# KiCad board HPM6P00ADCEVKRevB.kicad_pcb (continued)
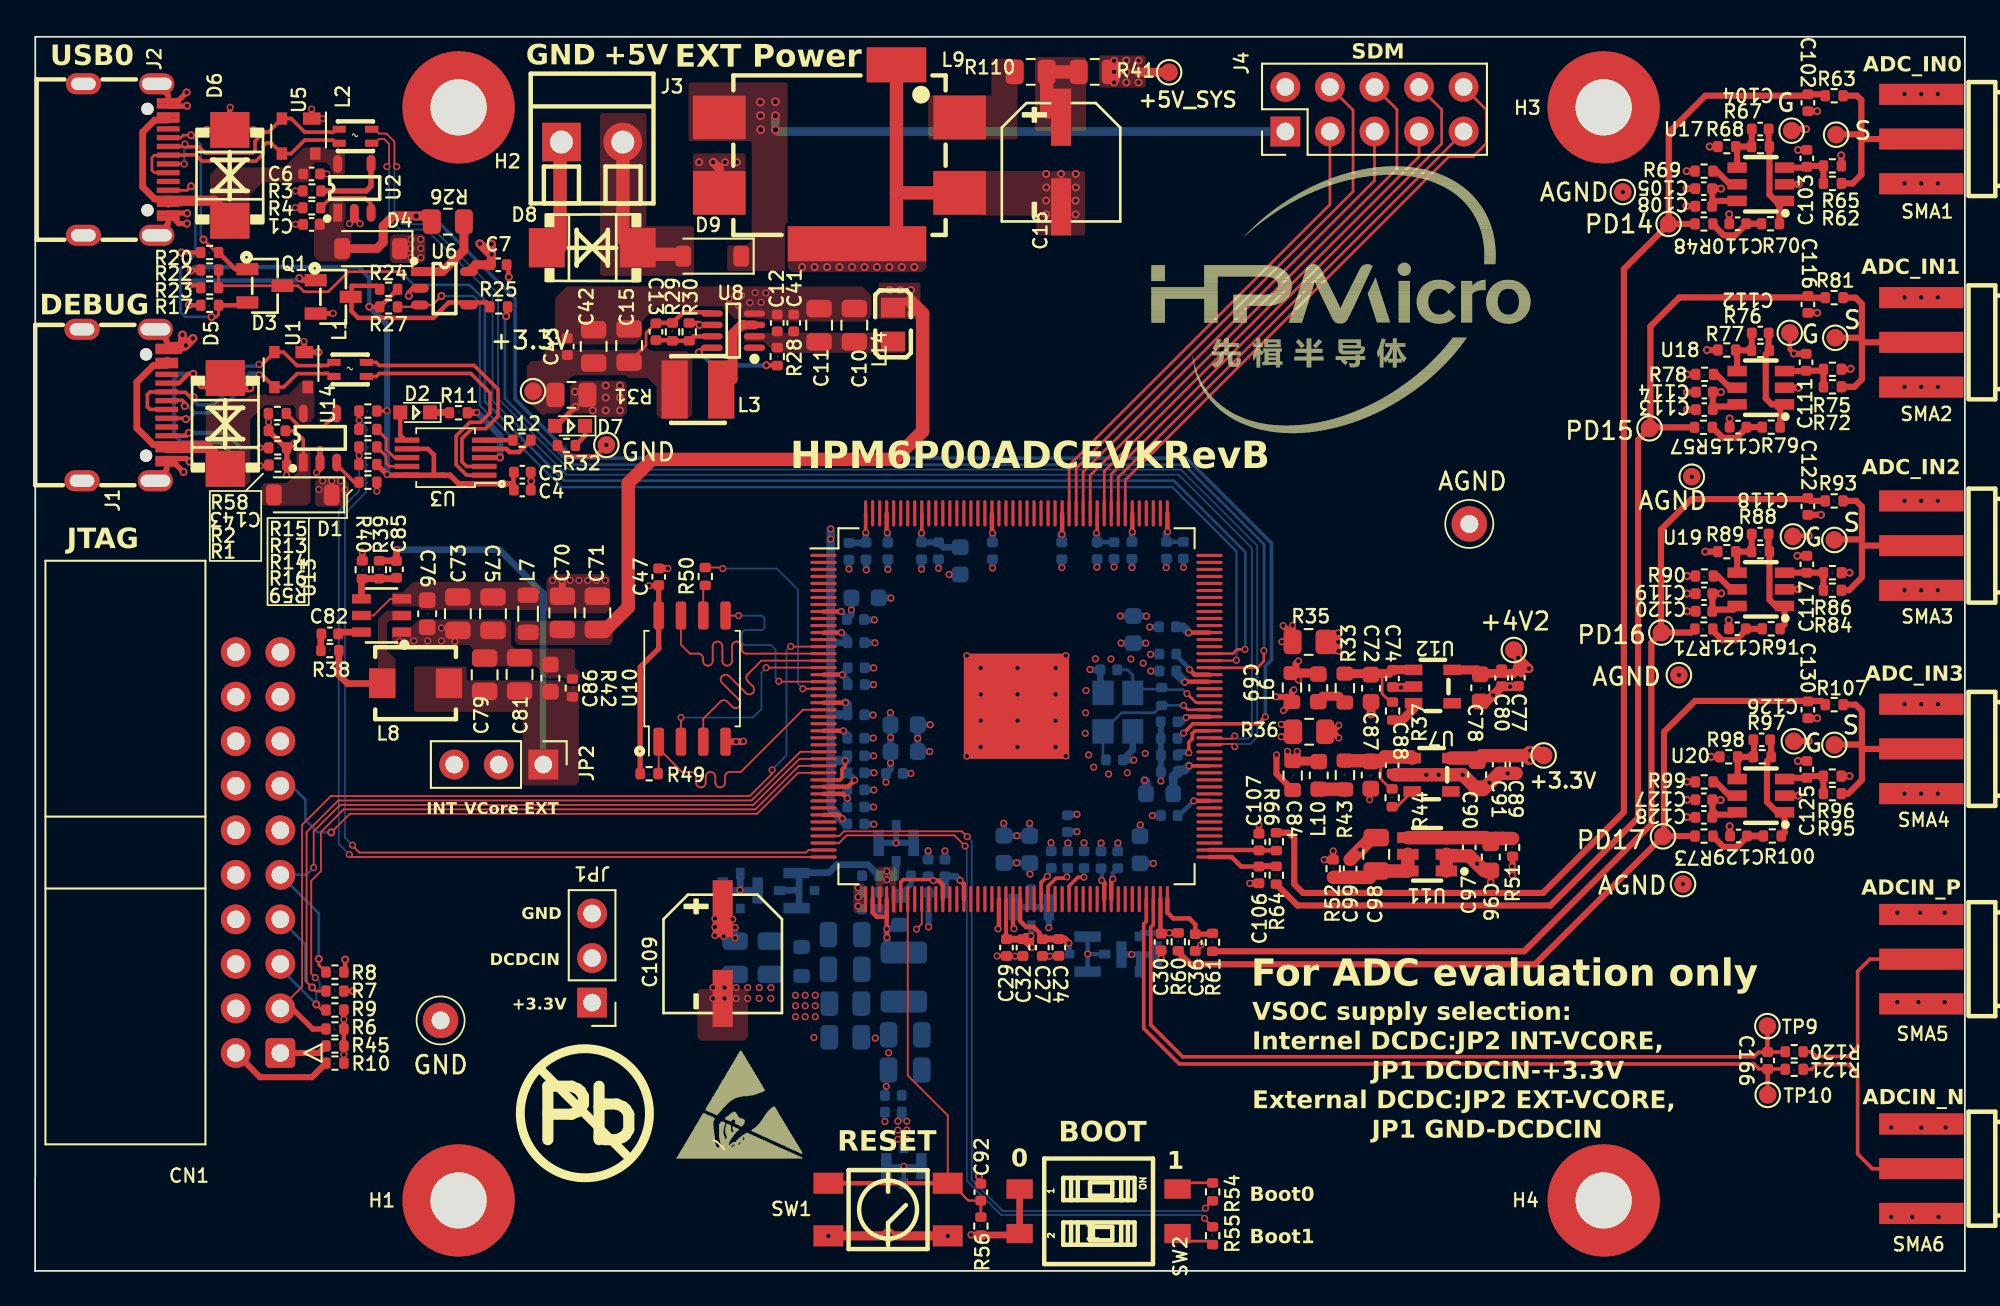
[diagram p0: board, top side]
## Routing (per net, layer and track width the routed paths; a pad name or vN(x,y) marks a point on that pad's centre or on a via; arc(x,y) is an arc through that point) (continued)
/HPM600ADCEVK MAINENTRY/PC26: length 65.3
  TOP.Cu w0.127: U9.117 68.46,34.8 v1(68.47,34.82) ; R27.2 21.91,54.98 22.02,55.09 22.65,55.09 v2(23.16,55.6)
  BOTTOM.Cu w0.127: v2(23.16,55.6) 24.98,55.6 25.35,55.23 25.35,49.37 30.02,44.7 64.82,44.7 68.47,41.05 v1(68.47,34.82)
/HPM600ADCEVK MAINENTRY/PC27: length 62
  TOP.Cu w0.127: 26.84,54.42 26.84,54.44 v2(26.85,54.45)
  TOP.Cu w0.152: v1(70.04,35.38) 70.04,34.77 69.66,34.39 66.95,34.39 U9.116 ; v2(26.85,54.45) 26.94,54.53 R25.1
  BOTTOM.Cu w0.152: v1(70.04,35.38) 70.05,35.39 70.05,41.43 65.5,45.98 30.55,45.98 26.78,49.75 26.78,54.38 v2(26.85,54.45)
/HPM600ADCEVK MAINENTRY/PD14: length 3.9
  TOP.Cu w0.254: U9.90 69.74,24 C107.1 70.74,23.98 R66.2
  TOP.Cu w0.349: 70.87,23.97 R66.2
/HPM600ADCEVK MAINENTRY/PD15: length 4.3
  TOP.Cu w0.152: C106.1 69.56,23.26
  TOP.Cu w0.254: C106.1 68.74,23.06 68.2,23.6 66.94,23.6
  TOP.Cu w0.349: 69.76,23.08 70.71,23.08
/HPM600ADCEVK MAINENTRY/PD16: length 4.3
  TOP.Cu w0.254: U9.88 64.54,20.44 64.87,20.11 65.79,20.11 66.13,19.76 C36.1
  TOP.Cu w0.3: R61.2 67.07,19.21 C36.1
  TOP.Cu w0.349: 66.13,19.29 C36.1
/HPM600ADCEVK MAINENTRY/PD17: length 4.6
  TOP.Cu w0.254: U9.87 64.14,19.28 C30.1
  TOP.Cu w0.349: 64.33,19.28 R60.2
  BOTTOM.Cu w0.349: v1(64.65,19.28) 63.13,19.28 W8.1
/HPM600ADCEVK MAINENTRY/Power/DCDC_3.3V: length 6.4
  TOP.Cu w0.152: 35.39,54.07 34.82,53.5 34.82,52.79 C15.1
  TOP.Cu w0.25: R29.2 36.33,54.07 35.39,54.07
  TOP.Cu w0.254: R29.2 36.95,54.68 38.51,54.68 U8.5
/HPM600ADCEVK MAINENTRY/Power/SW: length 5
  TOP.Cu w0.508: 39.76,50.84 39.08,50.16 ; U8.3 40.35,53.95
  TOP.Cu w0.559: 40.35,53.95 40.27,53.95 39.76,53.44 39.76,50.84
/HPM600ADCEVK MAINENTRY/USB0_N: length 80.4
  TOP.Cu w0.102: L2.2 19.36,65.11 19.61,64.86 20.02,64.86 20.48,64.4 20.48,63.11 v1(20.61,62.98) ; U9.105 66.99,30.05 68.23,30.05 v1(68.38,29.9)
  BOTTOM.Cu w0.102: v1(20.61,62.98) 20.48,62.85 20.48,60.13 20.92,59.69 22.42,59.69 26.38,55.73 26.38,49.75 30.44,45.7 65.32,45.7 69.66,41.36 69.66,30.44 69.27,30.05 68.53,30.05 v1(68.38,29.9)
/HPM600ADCEVK MAINENTRY/USB0_P: length 79.4
  TOP.Cu w0.102: U9.106 66.99,30.36 68.23,30.36 v1(68.38,30.51) ; v1(20.05,62.98) 20.18,63.11 20.18,64.28 19.9,64.56 19.61,64.56 19.36,64.31 L2.3
  BOTTOM.Cu w0.102: v1(20.05,62.98) 20.18,62.85 20.18,60.01 20.8,59.39 22.3,59.39 26.08,55.61 26.08,49.63 30.29,45.41 65.17,45.41 69.36,41.22 69.36,30.58 69.14,30.36 68.53,30.36 v1(68.38,30.51)
/HPM600ADCEVK MAINENTRY/USB/DN: length 15.2
  TOP.Cu w0.102: 8.18,64.03 8.09,64.13 J2.B7
  TOP.Cu w0.152: v1(8.54,64.27) 8.4,64.13 J2.B7 ; J2.A7 v1(8.5,63.13)
  TOP.Cu w0.203: J2.B7 8.56,64.13 8.58,64.11 9.33,64.11 9.69,63.75 12.4,63.75 12.54,63.89 12.54,64.43 13.06,64.95 13.3,64.95 U5.2 14.6,65.72 15.37,64.95 16.73,64.95 16.74,64.94 16.99,64.94 17.16,65.11 L2.1 ; 14,65.72 13.95,65.72
  BOTTOM.Cu w0.152: v1(8.54,64.27) 8.5,64.23 v1(8.5,63.13)
/HPM600ADCEVK MAINENTRY/USB/DP: length 14.6
  TOP.Cu w0.102: 8.18,63.73 8.09,63.63 J2.A6
  TOP.Cu w0.152: J2.A6 6.8,63.63 6.66,63.49 6.66,62.78 6.81,62.63 J2.B6
  TOP.Cu w0.203: 14,63.72 13.95,63.72 ; J2.A6 8.56,63.63 8.58,63.65 9.15,63.65 9.51,63.29 12.58,63.29 13,63.71 13,64.14 13.19,64.33 13.46,64.33 U5.3 14.6,63.72 15.37,64.49 16.55,64.49 16.56,64.48 16.99,64.48 17.16,64.31 L2.4
/HPM600ADCEVK MAINENTRY/USB/VUSB_IN: length 14.3
  TOP.Cu w0.381: J2.A9 7.69,60.93 10.44,60.93 11.1,60.27 10.24,61.13 J2.B4 6.82,61.13 6.13,61.82 6.13,64.94 6.82,65.63 J2.B9
DCDC_GND: length 8.8
  BOTTOM.Cu w0.381: 43.55,20.71 43.55,22.71 45.25,22.71 45.71,23.17 47.47,23.17 C22.2 ; 42.57,21.71 43.52,21.71 ; W5.1 49.08,22.65 C26.2
  vias: v1(48.55,22.79) v1(48.55,22.3)
DCDC_IN:
  vias: v1(46.92,21.86) v1(46.92,21.33) v1(46.92,20.81)
DCDC_VCore: length 2.4
  TOP.Cu w0.102: U9.53 50.54,19.79 v1(50.24,19.49)
  BOTTOM.Cu w0.381: 49.18,8.55 49.4,8.77 C23.1
  vias: v1(49.18,8.54) v1(49.18,8.03) v1(49.18,7.51) v1(49.69,8.54) v1(49.69,8.03) v1(49.69,7.51)
VREFH: length 6.9
  TOP.Cu w0.229: U9.65 55.34,18.95
  TOP.Cu w0.254: 55.34,18.95 C29.1
  TOP.Cu w0.349: v1(73.99,23.95) 73.99,23.95 R52.2 73.48,23.45 v1(73.48,23.45) ; v1(56.76,19.11) 56.76,18.51 v1(56.82,18.45) 56.78,18.45 C32.1
  TOP.Cu w0.381: 56.72,18.91 56.73,18.92 56.73,19.08 56.47,19.08 C32.1 C29.1
  BOTTOM.Cu w0.349: W7.1 56.78,19.13 v1(56.76,19.11)
Net-(C16-Pad1): length 4.1
  TOP.Cu w0.762: R41.1 R110.2 57.66,66.13 57.7,66.09
Net-(C26-Pad1): length 1.3
  BOTTOM.Cu w0.3: C26.1 49.93,22.06 49.51,21.64 49.51,21.39
Net-(C82-Pad2): length 1
  TOP.Cu w0.381: R38.1 16.29,36.3 C82.2
Net-(C102-Pad1): length 75.8
  TOP.Cu w0.349: TP15.1 R48.2 ; TP15.1 93.11,59.69 90.56,57.14 90.56,26.17 85.95,21.56 72.27,21.56 71.77,22.06 71.77,24.66 71.44,24.99 R66.1 ; TP15.1 93.12,59.72 93.12,64.93 95.21,67.02 100.97,67.02 C102.1 101.96,67.1 R63.2
Net-(C110-Pad1): length 3.3
  TOP.Cu w0.349: R70.2 97.56,59.72 97.56,59.72 96.9,59.06 96.26,59.06 95.63,59.69 R48.1
Net-(C115-Pad1): length 3.3
  TOP.Cu w0.349: R57.1 96.21,47.51 96.98,47.51 97.59,48.12 R79.2
Net-(C116-Pad1): length 64.8
  TOP.Cu w0.349: R57.2 92.08,48.11 TP19.1 ; R81.2 101.14,55.51 C116.1 100.97,55.52 93.72,55.52 92.07,53.87 92.07,48.1 91.37,47.41 91.37,25.84 86.37,20.84 71.97,20.84 R64.1
Net-(C121-Pad1): length 3.4
  TOP.Cu w0.349: R91.2 97.6,36.62 96.95,35.97 96.17,35.97 95.63,36.51 R71.1
Net-(C122-Pad1): length 57.2
  TOP.Cu w0.349: R93.2 101.21,43.91 C122.1 100.99,44.02 94.42,44.02 92.67,42.27 92.67,36.43 92.7,36.41 ; R61.1 84.88,18.23 92.13,25.48 92.13,35.84 TP23.1 94.41,36.41 R71.2
Net-(C129-Pad1): length 3.4
  TOP.Cu w0.349: 95.68,24.8 95.68,24.74 96.23,24.19 97.02,24.19 97.61,24.78 97.61,24.8
  TOP.Cu w0.381: 97.61,24.8 R100.2
Net-(C130-Pad1): length 48.9
  TOP.Cu w0.349: TP30.1 92.85,24.84 92.85,30.74 94.62,32.51 101.82,32.51 R107.2 ; TP30.1 85.5,17.49 65.85,17.49 65.16,18.18 R60.1 ; TP30.1 92.81,24.8 R73.2 ; 92.8,24.94 92.85,24.89
Net-(CN1-Pad1): length 2.8
  TOP.Cu w0.349: CN1.1 16.18,12.43 R45.1
Net-(CN1-Pad2): length 6
  TOP.Cu w0.349: CN1.2 12.82,11.05 15.78,11.05 R10.2
Net-(D1-A): length 2.5
  TOP.Cu w0.203: U14.1 15.29,47.41 14.79,47.91 C143.1
Net-(D2-A): length 1.7
  TOP.Cu w0.254: 21.1,47.38 20.81,47.67 20.81,48.96 D2.2
Net-(D2-K): length 1.1
  TOP.Cu w0.381: D2.1 23.63,48.96
Net-(D7-K): length 1.3
  TOP.Cu w0.254: R32.2 31.34,47.62 D7.1
Net-(D9-A): length 9.4
  TOP.Cu w0.762: J3.2 33.5,58.89 34.41,57.98 36.84,57.98 D9.2
Net-(J1-CC1): length 12.3
  TOP.Cu w0.25: v1(12.82,45.91) 13.28,45.91 R1.1 ; 7.5,50.63 8.2,50.63 8.73,51.16 v2(9.02,51.16) ; 13.29,45.91 13.3,45.92
  BOTTOM.Cu w0.25: v1(12.82,45.91) 11.92,45.91 10.56,47.27 8.34,47.27 7.92,47.69 7.92,50.84 8.24,51.16 v2(9.02,51.16)
Net-(J1-CC2): length 6.2
  TOP.Cu w0.25: v2(8.76,47.79) 8.6,47.63 7.5,47.63 ; R2.1 13.31,46.95 v1(12.8,46.95)
  BOTTOM.Cu w0.25: v1(12.8,46.95) 11.71,46.95 10.87,47.79 v2(8.76,47.79)
Net-(J2-CC1): length 10.9
  TOP.Cu w0.152: R20.1 10.33,58.08 v2(9.6,58.82) ; v2(8.89,64.77) 8.45,64.77 8.31,64.63 J2.A5
  TOP.Cu w0.254: 12.16,57.13 11.41,57.13 R20.1
  BOTTOM.Cu w0.152: v2(9.6,58.82) 9.6,58.87 9.45,59.02 9.45,64.21 v2(8.89,64.77)
Net-(J2-CC2): length 13.7
  TOP.Cu w0.152: J2.B5 8.66,61.63 v2(8.89,61.86) ; R17.1 10.46,54.54 10.32,54.4 v2(10.06,54.4)
  TOP.Cu w0.254: R17.1 12,55.07 12.16,55.23
  BOTTOM.Cu w0.152: v2(8.89,61.86) 9.14,61.61 9.14,57.98 8.29,57.13 8.29,54.67 8.55,54.41 10.05,54.41 v2(10.06,54.4)
Net-(JP1-C): length 0.8
  BOTTOM.Cu w0.381: v1(39.9,19.59) C14.1
  vias: v1(38.75,20.1) v1(38.75,19.61) v1(38.75,19.12) v1(39.25,19.07) v1(39.76,20.05) v1(39.9,18.99)
Net-(L6-Pad2): length 1.4
  TOP.Cu w0.508: 73.37,32.78 74.3,32.78 R33.1
Net-(L9-CB): length 0.5
  TOP.Cu w0.762: L9.2 53.24,65.78
Net-(L10-Pad2): length 1.6
  TOP.Cu w0.762: 74.6,27.45 74.65,27.45 R43.1 74.64,27.47 L10.2
Net-(Q1-D): length 11.7
  TOP.Cu w0.254: R24.1 19.44,56.18 18.04,56.18 18.04,54.73 18.42,54.35 22.7,54.35 23.58,55.23 25.74,55.23 25.99,54.98
Net-(Q1-G): length 8.2
  TOP.Cu w0.254: R23.1 9.3,56.21 v2(8.77,56.21)
  TOP.Cu w0.3: v2(15.07,56.62) 15.19,56.5 Q1.1
  BOTTOM.Cu w0.254: v2(8.77,56.21) 9.04,56.48 14.93,56.48 v2(15.07,56.62)
Net-(R120-Pad1): length 11.7
  TOP.Cu w0.203: R120.1 101.26,12.5 101.53,12.23 103.35,12.23 103.89,12.76 103.89,17.08 104.58,17.78 SMA5.5
  TOP.Cu w0.381: 107.59,17.78 107.6,17.78
Net-(R121-Pad1): length 12
  TOP.Cu w0.203: R121.1 101.26,11.5 101.53,11.77 103.35,11.77 103.89,11.24 103.89,6.67 104.72,5.83 SMA6.5
Net-(SW2-PIN3): length 2.3
  TOP.Cu w0.152: SW2.3 65.55,1.7 66.92,1.7 R55.1
Net-(SW2-PIN4): length 2.1
  TOP.Cu w0.152: R54.1 67.11,5.02 65.48,5.02 SW2.4
Net-(U2-EN): length 4.2
  TOP.Cu w0.3: U2.4 19.15,61.87 18.87,61.59 R3.2
Net-(U2-IADJ): length 3.8
  TOP.Cu w0.203: R4.2 16.86,61.21 18.79,61.21 19.15,60.85 U2.3
Net-(U3-RXD): length 2.4
  TOP.Cu w0.152: U3.9 20.2,45.88 20.01,46.07 20.01,46.46 R14.1
Net-(U3-TXD): length 2.7
  TOP.Cu w0.152: U3.8 20.49,46.38 20.02,46.85 20.02,47.45 R13.1
Net-(U3-~{CTS}): length 1.7
  TOP.Cu w0.254: 25.5,47.38 R12.2
Net-(U3-~{RTS}): length 3.1
  TOP.Cu w0.254: 25.5,46.88 26.87,46.88 27.05,46.7 27.58,46.7 R12.1
Net-(U6-OUT): length 4.6
  TOP.Cu w0.508: R26.1 24.44,58.21 23.22,56.99 U6.1
Net-(U7-EN): length 1.6
  TOP.Cu w0.152: 77.3,26.44 77.59,26.44 U7.3
Net-(U7-IN): length 5.9
  TOP.Cu w0.152: 76.7,29.08 76.7,28.06 77.3,27.46
  TOP.Cu w0.762: 74.6,29.1 76.06,29.1 76.07,29.08 76.7,29.08 76.93,29.31 78.43,29.31 U7.1
Net-(U8-EN): length 5.7
  TOP.Cu w0.254: U8.8 38.09,52.65 v2(37.83,52.38) ; 42.37,51.65 v2(41.68,51.65)
  BOTTOM.Cu w0.254: v2(37.83,52.38) 37.88,52.38 38.62,51.65 v2(41.68,51.65)
Net-(U8-FB): length 3.3
  TOP.Cu w0.25: U8.7 37.54,53.3 R30.2 R29.1 36.3,53.08 C13.2
Net-(U9B-OTPCAP): length 1.5
  TOP.Cu w0.254: U9.35 46.05,27.2 v1(46.3,26.95) 46.32,26.95 46.33,26.96
  BOTTOM.Cu w0.254: 46.33,26.96 46.32,26.95 v1(46.3,26.95)
Net-(U9B-VPMCAP): length 3.1
  TOP.Cu w0.254: v1(52.73,22.27) 52.94,22.06 U9.59
  BOTTOM.Cu w0.381: v1(52.73,22.27) 52.5,22.5 C65.1 51.89,22.47 C64.1
Net-(U9F-XTALI): length 6.5
  TOP.Cu w0.152: v1(65.66,32.92) 66.18,32.41 U9.111
  BOTTOM.Cu w0.152: 64.15,33.18 62.78,33.18 ; X1.3 62.57,33.98 62.27,34.28 C66.1 ; v1(65.66,32.92) 65.43,33.15 64.17,33.15
Net-(U9F-XTALO): length 8.4
  TOP.Cu w0.152: U9.110 66.94,32 65.71,32 v1(65.46,32.25)
  BOTTOM.Cu w0.152: v1(65.46,32.25) 64.24,32.25 64.15,32.16 ; R53.1 63.8,31.83 61.93,31.83 X1.1 60.87,29.31
Net-(U10-CLK): length 1.8
  TOP.Cu w0.102: 38.08,37.38 38.08,38.98 38.2,39.09
Net-(U11-ENABLE): length 7.3
  TOP.Cu w0.762: U11.4 U11.3 82.65,24.71 ; 83.67,24.66 83.25,24.66 82.98,24.38 82.65,24.71 ; 83.67,24.66 R51.2 ; 83.67,24.66 82.7,24.66 82.65,24.71
Net-(U11-OUT_F): length 4.8
  TOP.Cu w0.762: C98.1 U11.6 U11.5 ; 74.01,22.45 76.08,22.45
Net-(U12-EN): length 1.8
  TOP.Cu w0.508: R37.1 77.94,31.42 78.57,32.05 U12.3
Net-(U12-IN): length 6
  TOP.Cu w0.152: R37.2 77.26,32.44 76.78,32.92 76.78,34 76.84,34.06
  TOP.Cu w0.508: U12.1 78.56,34.29 77.37,34.29 77.15,34.06 R33.2
Net-(U13-BOOT): length 1.4
  TOP.Cu w0.381: U13.6 17.38,36.43 C82.1
Net-(U13-EN): length 2.7
  TOP.Cu w0.102: U13.3 20.25,38.33 19.3,37.38 U13.5
Net-(U13-FB): length 3.1
  TOP.Cu w0.381: C85.2 20.55,39.48 R40.2 18.6,39.43 U13.4
Net-(U13-SW): length 4.5
  TOP.Cu w0.381: R38.2 17.31,34 17.81,33.5 20.2,33.5
Net-(U14-EN): length 3.5
  TOP.Cu w0.203: R58.2 15.06,48.16 16.45,48.16 U14.4
Net-(U14-IADJ): length 1.8
  TOP.Cu w0.203: U14.3 17.19,45.98 18.19,44.98 R59.2
Net-(U17-+IN): length 3.3
  TOP.Cu w0.349: R62.2 R65.2 101.04,63.02 C103.1 100.94,62.92 U17.3
Net-(U17--IN): length 3.1
  TOP.Cu w0.349: U17.4 97.02,64.04 R68.1 R67.2 97.85,64.13 C104.2
Net-(U17-MODE): length 1.7
  TOP.Cu w0.349: R69.1 95.85,62.72 96.6,61.97 U17.5
Net-(U17-OUT): length 6.2
  TOP.Cu w0.349: R70.1 99.43,60.73 U17.1 99.21,61.02 98.86,61.38 R67.1 98.81,64.17 C104.1
Net-(U18-+IN): length 3.3
  TOP.Cu w0.349: U18.3 100.93,51.32 C111.1 101.86,51.34 R75.2 R72.2
Net-(U18--IN): length 3.1
  TOP.Cu w0.349: C112.2 97.85,52.51 R76.2 96.96,52.49 R77.1 97.02,52.44 U18.4
Net-(U18-MODE): length 1.7
  TOP.Cu w0.349: U18.5 96.6,50.37 95.84,51.13 R78.1
Net-(U18-OUT): length 6.4
  TOP.Cu w0.349: C112.1 98.81,52.54 R76.1 98.65,52.28 98.65,49.76 98.99,49.42 U18.1 99.47,49.17 R79.1
Net-(U19-+IN): length 3.2
  TOP.Cu w0.349: R84.2 R86.2 C117.1 U19.3
Net-(U19--IN): length 3.1
  TOP.Cu w0.349: U19.4 97.02,40.94 R89.1 R88.2 97.85,41.03 C118.2
Net-(U19-MODE): length 1.7
  TOP.Cu w0.349: U19.5 96.68,38.87 95.92,39.63 R90.1
Net-(U19-OUT): length 6.2
  TOP.Cu w0.349: C118.1 98.81,41.07 R88.1 98.86,38.28 99.21,37.92 U19.1 99.72,36.87 R91.1
Net-(U20-+IN): length 3.2
  TOP.Cu w0.349: 99.75,28.12 C125.1 101.09,28.22 R96.2 101.94,28.21 R95.2
Net-(U20--IN): length 3.1
  TOP.Cu w0.349: 97.99,30.32 97.99,29.37 R97.2 R98.1 97.05,28.12
Net-(U20-MODE): length 1.7
  TOP.Cu w0.349: R99.1 95.79,27.89 96.51,27.17 97.05,27.17
Net-(U20-OUT): length 6.4
  TOP.Cu w0.349: 98.95,30.32 98.95,29.33 R97.1 98.72,29.08 98.72,26.75 99.24,26.22 99.75,26.22 ; R100.1 99.72,24.99 99.72,26.16

## Copper pours and planes (outline as drawn; the poured copper is in the pictures)
5V_Debug on TOP.Cu: 9.72,44.72 9.72,49.22 10.24,49.74 12.03,49.74 12.28,49.99 14.45,49.99 15.3,50.84 15.8,50.84 15.93,50.71 15.93,48.68 15.62,48.37 15.06,48.37 14.85,48.58 14.85,49.21 14.7,49.36 13.06,49.36 12.27,48.57 12.27,45.02 11.96,44.72
5V_SYS on TOP.Cu: 48.08,54.29 48.08,56.36 50.46,56.36 50.46,54.29
5V_SYS on TOP.Cu: 27.41,37.08 32.78,37.08 32.94,36.92 32.94,35.9 32.74,35.7 27.54,35.7 27.34,35.9 27.34,37.01
5V_SYS on TOP.Cu: 60.65,69.33 63.3,69.33 63.3,67.48 60.65,67.48
5V_SYS on S03.Cu: 69.35,29.26 68.92,29.68 68.92,64.41 64.77,68.56 64.77,70.13 72.37,70.13 72.37,34.73 72.37,34.72 72.37,29.71 71.92,29.26
5V_SYS on S03.Cu: 48.12,70.13 48.12,53.23 59.41,53.23 60.25,54.07 60.25,65.76 61.79,67.3 66.99,67.3 66.99,69.88 66.74,70.13
+1V2 on TOP.Cu: 21.6,34.48 24.6,34.48 24.6,33.68 31,33.68 31,27.88 30.8,27.68 27.8,27.68 27.8,31.68 27.6,31.88 21.6,31.88
+3.3VA on S03.Cu: 70.79,18.32 72.39,19.92 72.39,24.8 73.27,25.68 84.76,25.68 85.84,26.76 85.84,29.66 85.58,29.92 85.07,29.92 84.81,29.66 84.81,27.24 84.23,26.66 72.86,26.66 71.5,25.3 71.5,20.38 70.44,19.32 58.72,19.32 58.54,19.14 58.54,18.64 58.86,18.32
+3V3 on TOP.Cu: 30.49,50.47 30.8,50.77 33.57,50.77 33.74,50.6 33.74,48.94 33.49,48.69 30.97,48.69 30.49,49.17
+3V3 on S03.Cu: 66.61,25.01 66.61,24.16 64.24,21.79 57.5,21.79 57.29,21.58 57.29,20.4 57.46,20.23 65.1,20.23 68.13,23.26 68.13,25.01
+3V3 on S03.Cu: 23.59,51.64 24.46,52.51 63.57,52.51 68.13,47.95 68.13,24.99 67.77,24.63 66.61,24.63 66.61,42.36 65.95,43.02 46.34,43.02 45.53,42.21 45.53,37.72 44.27,36.46 22.89,36.46 20.97,34.54 20.97,19.1 24.35,15.72 44.97,15.72 45.68,15.01 45.68,8.81 47.85,6.64 50.64,6.64 52.31,8.31 52.31,20.56 49.01,23.86 45.87,23.86 45.61,24.11 45.61,25.9 45.81,26.1 50.83,26.1 53.87,23.06 53.87,0.06 0.06,0.06 0.06,43.29 21.68,43.29 23.59,45.2
+4V_OPA on S03.Cu: 83.97,31.16 84.6,30.53 85.96,30.53 86.48,30.01 86.48,26.45 85.01,24.98 83.68,24.98 83.21,24.51 83.21,21.49 83.83,20.87 96.52,20.87 97.22,21.57 97.22,62.32 96.52,63.02 84.91,63.02 83.97,62.08
+5V on TOP.Cu: 22.11,59.12 22.26,58.96 22.26,57.66 22.08,57.48 20.41,57.48 20.22,57.67 20.22,58.92 20.42,59.12
+5V on TOP.Cu: 15.96,43.72 16.1,43.58 17.68,43.58 17.89,43.79 17.89,44.93 17.52,45.3 16.23,45.3 15.96,45.03
+5V on TOP.Cu: 42.9,67.78 42.9,57.02 39.45,57.02 39.45,58.49 40.55,58.49 40.85,58.79 40.85,64.33 40.75,64.43 37.25,64.43 37.25,67.78
+5V on S03.Cu: 13.97,70.14 43.94,70.14 44.45,69.64 44.45,61.93 43.78,61.25 29.72,61.25 22.86,54.4 22.86,45.74 21.41,44.29 14.96,44.29 13.97,45.27
GND on TOP.Cu: 37.5,63.73 40.5,63.73 40.5,61.83 37.5,61.83
GND on TOP.Cu: 34.21,52.84 34.58,53.21 34.58,54.14 35.45,55.01 39.16,55.01 39.87,54.3 41.74,54.3 41.9,54.14 47.34,54.14 47.67,54.47 47.67,55.63 47.15,56.15 30.31,56.15 29.64,55.48 29.64,53.04 29.84,52.84
GND on TOP.Cu: 29.14,39.43 29.45,39.73 32.59,39.73 32.77,39.56 32.77,37.73 32.54,37.5 29.32,37.5 29.14,37.68
GND on TOP.Cu: 53.86,62.72 59.86,62.72 59.86,59.05 57.07,59.05 57.07,60.18 53.86,60.18
GND on TOP.Cu: 40.64,13.33 40.45,13.14 37.92,13.14 37.75,13.31 37.75,15.97 37.85,16.07 40.49,16.07 40.64,15.92
GND on TOP.Cu: 20.36,36.7 21.44,36.7 21.88,37.14 21.88,37.16 27.08,37.16 27.14,37.1 27.14,35.72 27.36,35.5 30.65,35.5 30.78,35.37 30.78,34.42 31.05,34.18 31.05,33.76 28.77,33.76 28.77,34.25 28.55,34.48 25.38,34.48 24.94,34.92 24.94,35.5 24.74,35.7 20.54,35.7 20.34,35.9 20.34,36.67
GND on TOP.Cu: 42.9,57.2 43.14,56.96 50.56,56.96 50.8,57.2 50.8,57.98 42.9,57.98
GND on BOTTOM.Cu: 52.83,35.35 59.05,35.35 59.05,29.09 52.83,29.09
GND on BOTTOM.Cu: 38.86,17.81 42.61,17.81 42.98,17.44 42.98,16.36 43.26,16.08 45.76,16.08 46.07,15.77 46.07,14.63 46.55,14.15 49.25,14.15 49.46,13.94 49.46,11.16 48.91,10.61 48.91,8.33 48.8,8.22 48.08,8.22 47.86,8.44 47.86,11.79 47.26,12.39 44.17,12.39 43.49,13.07 43.49,13.93 42.78,14.64 38.43,14.64 38.12,14.95 38.12,17.07
GND on BOTTOM.Cu: 63.25,35.09 63.59,34.75 63.59,29.09 62.56,28.06 60.63,28.06 59.69,29 59.69,34.84 59.94,35.09
GND on GND02.Cu: 0.08,70.32 0.08,0.16 53.87,0.16 53.87,22.57 55.1,23.8 65.52,23.8 72.7,30.98 72.7,68.97 71.35,70.32
GNDA on GND02.Cu: 56.79,22.27 56.94,22.12 56.94,20.21 57.18,19.97 62.15,19.97 62.85,20.67 62.85,22.25 63.21,22.61 65.08,22.61 73.24,30.77 73.24,43.4 75.31,45.47 86.38,45.47 88.17,47.26 88.17,61.58 89.21,62.62 92.45,62.62 93.9,64.07 93.9,70.35 109.97,70.35 109.97,0.05 95.28,0.05 93.84,1.49 93.84,10.19 91.4,12.63 54.97,12.63 54.43,13.17 54.43,21.97 54.73,22.27
VBUS on TOP.Cu: 16.9,60.98 17.57,60.98 17.7,60.85 17.7,59.59 18.03,59.26 18.03,57.86 17.75,57.58 16.17,57.58 15.89,57.86 15.89,59.92 16.03,60.06 16.59,60.06 16.76,60.23 16.76,60.84
VDD_SOC on S03.Cu: 25.35,27.83 25.35,34.56 26.77,35.98 44.32,35.98 45.88,37.54 45.88,41.92 46.55,42.59 65.74,42.59 66.19,42.14 66.19,24.19 64.07,22.07 56.14,22.07 55.05,23.16 55.05,23.94 51.71,27.28 25.9,27.28
/HPM600ADCEVK MAINENTRY/Power/DCDC_3.3V on TOP.Cu: 30.26,50.6 30.59,50.93 34.91,50.93 35.42,50.42 35.42,48.84 35.65,48.61 37.22,48.61 37.45,48.84 37.45,52.14 37.15,52.45 35.22,52.45 34.9,52.77 29.34,52.77 28.97,52.4 28.97,52.07 28.79,51.89 28.28,51.89 28.03,51.64 28.03,49.68 29.12,48.59 29.12,47.75 29.25,47.62 30.09,47.62 30.26,47.8
/HPM600ADCEVK MAINENTRY/USB/VUSB_IN on TOP.Cu: 9.98,58.87 9.98,62.53 10.39,62.94 14.19,62.94 15.32,64.07 16.56,64.07 16.69,63.94 17.56,63.94 17.66,63.84 17.66,62.61 17.51,62.46 16.99,62.46 16.82,62.63 16.82,62.98 16.59,63.21 15.99,63.21 15.7,62.92 15.7,62.23 15.55,62.08 12.97,62.08 12.22,61.33 12.22,58.87
DCDC_GND on TOP.Cu: 47.92,22.88 48.09,23.05 48.99,23.05 49.16,22.88 49.16,20.45 49.08,20.37 48.84,20.37 48.72,20.49 48.72,22.05 48.66,22.11 48.43,22.11 48.36,22.04 48.36,20.5 48.28,20.42 48.02,20.42 47.92,20.52
DCDC_GND on BOTTOM.Cu: 47.63,22.81 47.63,20.52 47.26,20.15 46.79,20.15 46.22,19.58 46.22,14.69 46.64,14.27 47.86,14.27 48.05,14.46 48.05,19.5 48.66,20.11 48.66,21.7 48.98,22.02 49.31,22.02 49.45,22.16 49.45,22.94 49.33,23.06 47.88,23.06
DCDC_IN on TOP.Cu: 46.64,20.5 46.72,20.42 47.24,20.42 47.34,20.52 47.34,21.95 47.19,22.11 46.74,22.11 46.64,22.01
DCDC_IN on BOTTOM.Cu: 44.3,17.8 44.61,18.11 44.61,21.96 44.86,22.16 45.44,22.16 46.28,23.04 47.35,23.04 47.56,22.83 47.56,20.55 47.2,20.19 46.69,20.19 46.12,19.62 46.12,16.58 45.75,16.21 43.29,16.21 43.09,16.41 43.09,17.43 43.46,17.8
DCDC_VCore on BOTTOM.Cu: 50.98,16.1 51.4,15.68 51.4,10.97 50.17,9.74 50.17,7.35 49.95,7.13 49.16,7.13 48.94,7.35 48.94,10.59 49.54,11.19 49.54,14.1 49.26,14.38 48.25,14.38 48.09,14.54 48.09,15.95 48.24,16.1
DCDC_VCore on S03.Cu: 21.93,19.45 24.95,16.43 45.37,16.43 46.27,15.53 46.27,9.01 48.11,7.17 50.42,7.17 51.7,8.45 51.7,19.3 49.77,21.23 27.99,21.23 25.08,24.14 25.08,29.7 24.54,30.24 22.53,30.24 21.93,29.64
VREFH on S03.Cu: 73.3,23.92 73.3,18.83 71.96,17.49 57.45,17.49 57.14,17.78 57.14,19.03 56.93,19.27 56.4,19.27 56.19,19.06 56.19,17.32 56.99,16.52 72.66,16.52 74.42,18.28 74.42,23.92 74.14,24.2 73.58,24.2
Net-(C16-Pad1) on TOP.Cu: 57,64.98 59.9,64.98 59.9,69.23 57,69.23
Net-(D1-A) on TOP.Cu: 14.9,45.5 14.34,44.94 13.07,44.94 12.88,44.75 12.88,43.82 13.06,43.64 15.49,43.64 15.71,43.86 15.71,46.72 15.58,46.85 14.94,46.85 14.9,46.81
Net-(D9-A) on TOP.Cu: 32.2,66.03 32.2,56.75 37.55,56.75 37.55,59.58 34.85,59.58 34.85,66.03
Net-(JP1-C) on BOTTOM.Cu: 37.21,16.54 38.64,17.97 44.16,17.97 44.41,18.22 44.41,20 43.86,20.55 36.56,20.55 35.25,19.24 30.61,19.24 30.2,18.83 30.2,16.9 30.56,16.54
Net-(L9-CB) on TOP.Cu: 50.9,64.53 56,64.53 56,69.13 54.5,69.13 54.5,67.03 50.9,67.03
Net-(U8-VIN) on TOP.Cu: 40.43,53.5 42.9,53.5 42.89,53.5 49.59,53.5 49.59,52.36 42.17,52.36 41.53,53 40.43,53
Net-(U13-EN) on TOP.Cu: 20.34,38.7 20.94,38.7 21.54,39.3 28.5,39.3 28.79,39.01 28.79,37.88 28.61,37.7 21.98,37.7 21.78,37.9 20.34,37.9
Net-(U13-SW) on TOP.Cu: 21.44,37.11 21.44,37.65 20.02,37.65 19.54,37.17 19.54,32.9 20.54,32.9 20.54,34.89 20.05,35.38 20.05,36.95 20.2,37.1 21.42,37.1

## Text on the board
B.Silkscreen: VREF | GND | TCK | NC | TDO | TMS | TDI | TRST
F.Silkscreen: INT | VCore | DCDCIN | +3.3V | GND | EXT | Boot0 | Boot1 | SDM | ADC_IN1 | ADCIN_P | ADC_IN2 | ADCIN_N | ADC_IN0 | ADC_IN3 | 0 | 1 | VSOC supply selection: / Internel DCDC:JP2 INT-VCORE, / JP1 DCDCIN-+3.3V / External DCDC:JP2 EXT-VCORE, / JP1 GND-DCDCIN | DEBUG | USB0 | JTAG | RESET | BOOT | +5V | EXT Power | HPM6P00ADCEVKRevB | For ADC evaluation only
